# Allegro board BRD_05101_01_rev_b01_aa.brd (continued)
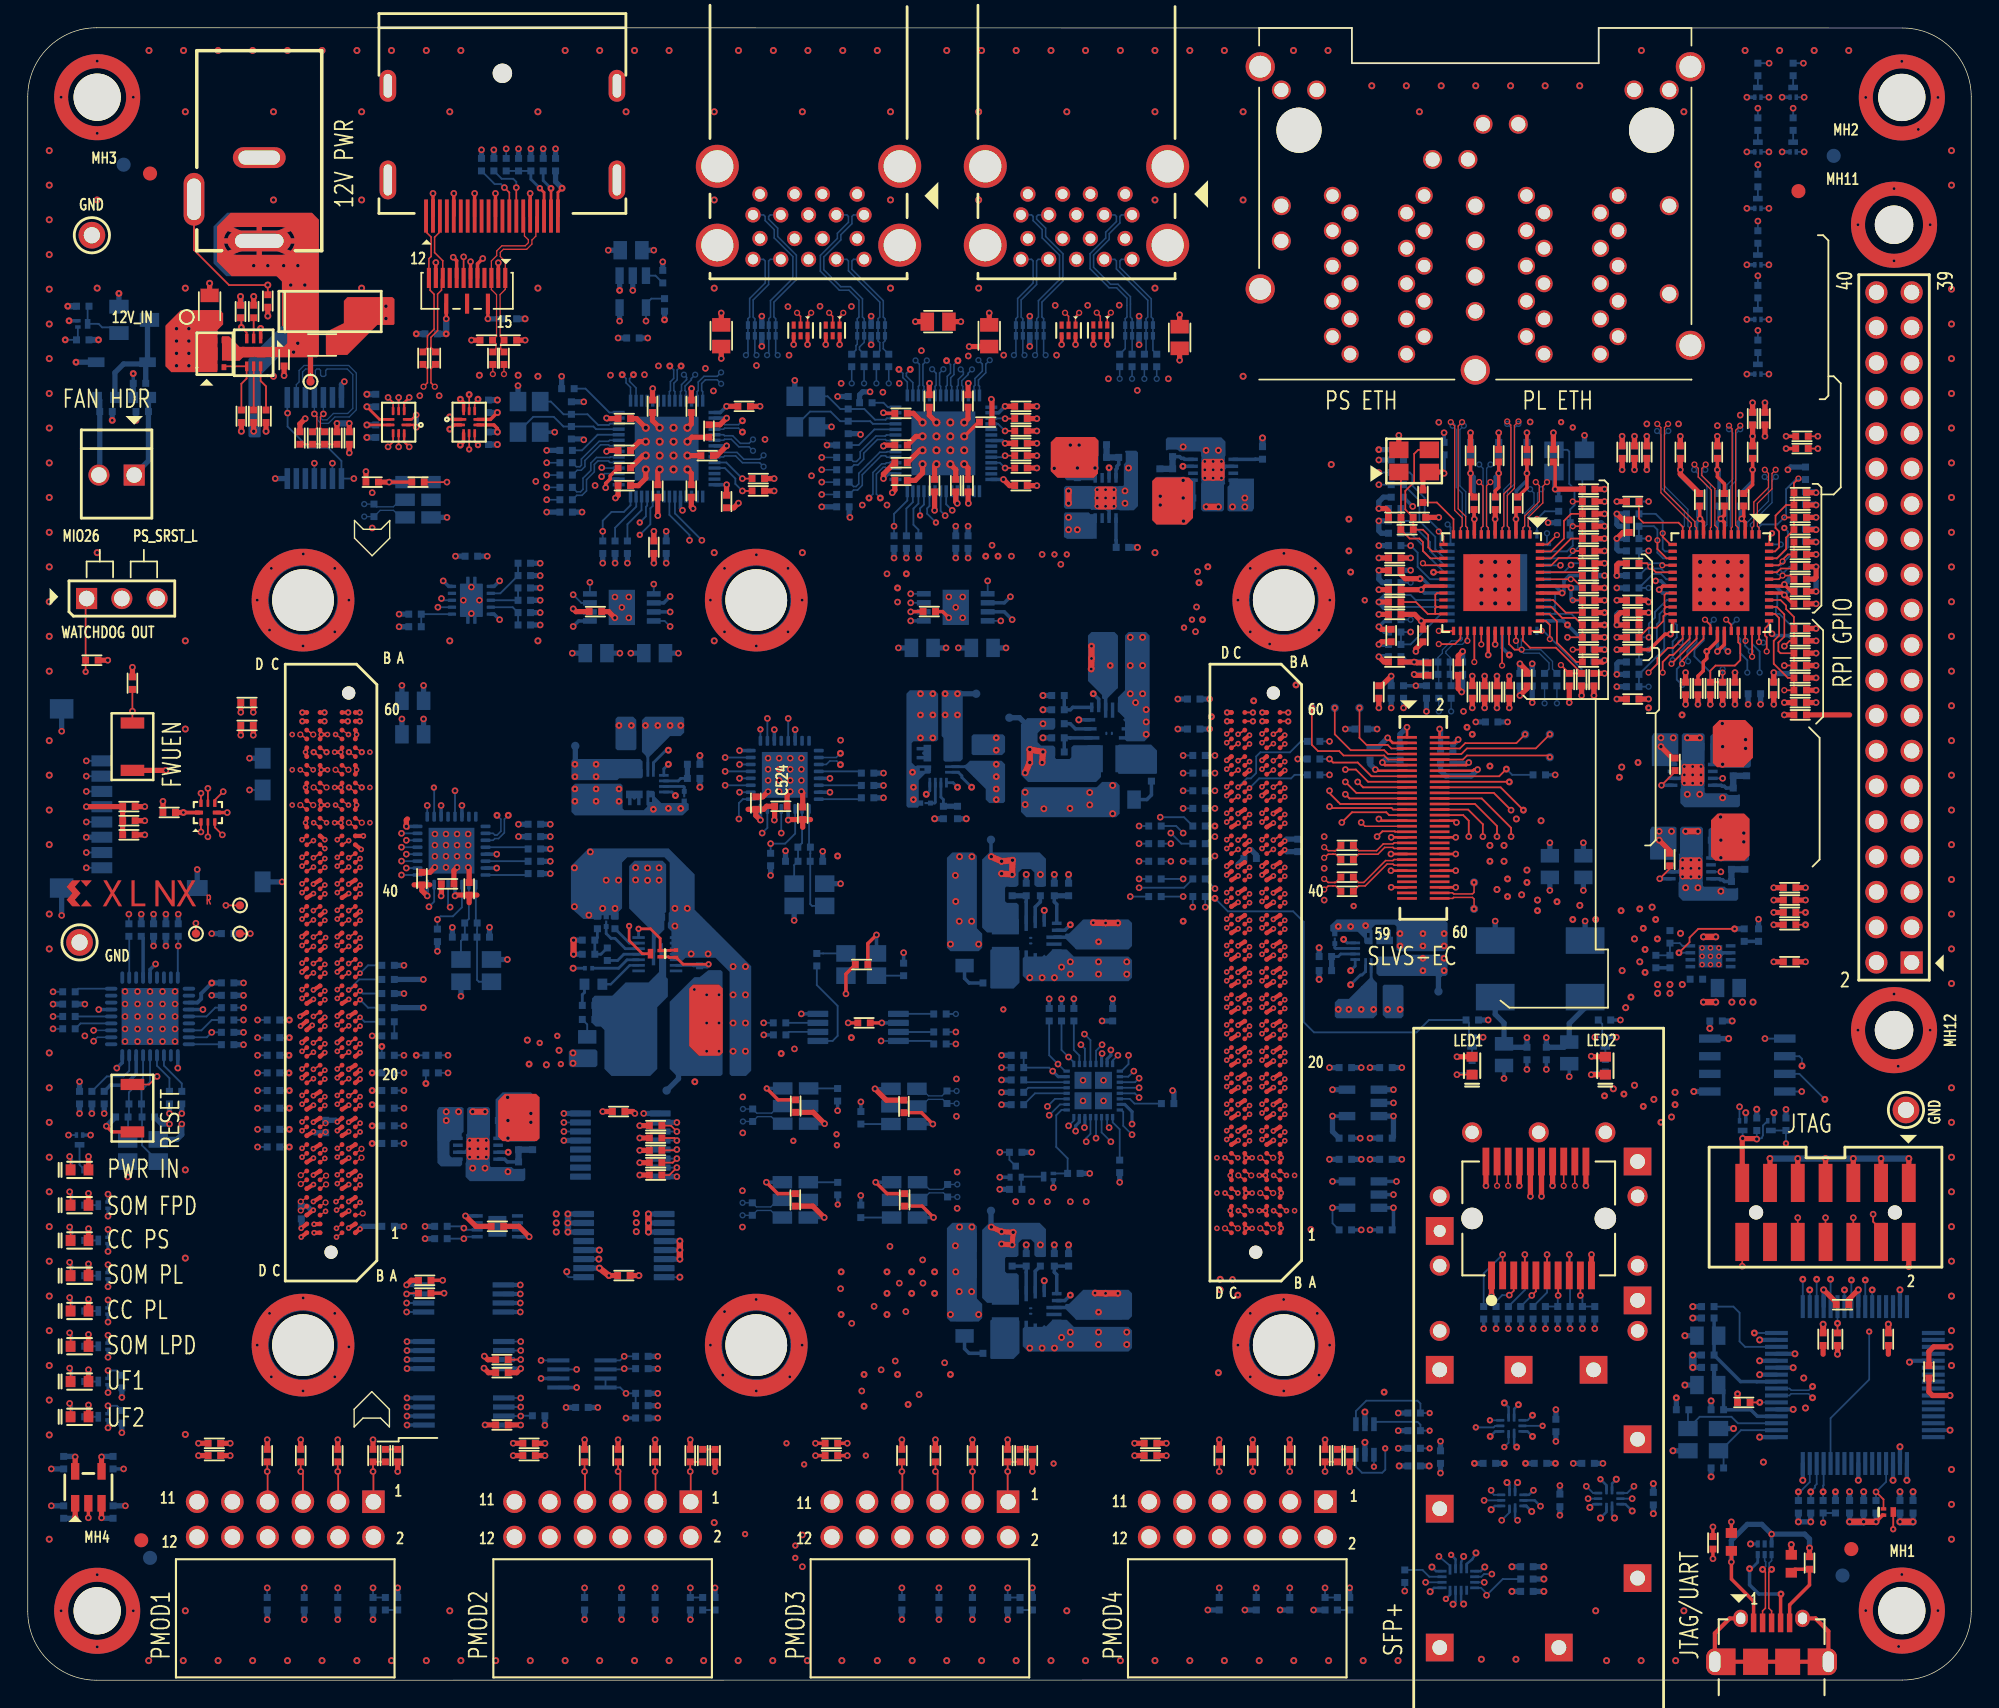
[diagram p0: board, top side]
## Placement (name value [footprint] x y rotation side) (continued)
TP21  -  [TP_PAD]  69.39 33.8 0 bottom
TP23  -  [TP_PAD]  122.98 61.9 180 bottom
TP24  -  [TP_PAD]  69.39 60.52 0 bottom
TP37  -  [TP_PAD]  15.29 53.77 270 top
TP38  -  [TP_PAD]  15.29 55.8 0 top
TP39  -  [TP_PAD]  12.11 53.77 0 top
TP40  -  [TP_PAD]  123.11 68.63 180 bottom
TP41  -  [TP_PAD]  95.93 70.02 180 bottom
TP42  -  [TP_PAD]  107.87 68.12 180 bottom
TP43  -  [TP_PAD]  94.15 70.02 180 bottom
TP44  -  [TP_PAD]  109.65 68.12 180 bottom
TP45  -  [TP_PAD]  92.5 70.02 180 bottom
TP46  -  [TP_PAD]  109.65 66.47 180 bottom
TP47  -  [TP_PAD]  104.19 57.45 180 bottom
TP48  -  [TP_PAD]  104.19 55.55 180 bottom
U1  MPM3840GQV-Z  [PQFN20_MPS_MPM3840GQV]  77.9 67.61 180 bottom
U2  MPM3840GQV-Z  [PQFN20_MPS_MPM3840GQV]  71.67 26.59 90 bottom
U3  MPM3810AGQB-Z  [QFN12_MPM3805A]  44.37 64.56 90 bottom
U4  MPM3810AGQB-Z  [QFN12_MPM3805A]  97.07 52.5 270 bottom
U5  MPM3810AGQB-Z  [QFN12_MPM3805A]  65.58 66.09 0 bottom
U6  MP8772  [QFN40P300X300X100-16_MP8772]  45.35 52.28 0 bottom
U7  MP8904  [QFN_MP8904DD_8]  32.43 38.27 180 bottom
U8  MP8904  [QFN_MP8904DD_8]  119.81 58.47 180 bottom
U9  MP8904  [QFN_MP8904DD_8]  119.93 65.2 180 bottom
U10  MP8904  [QFN_MP8904DD_8]  77.64 85.14 270 bottom
U11  MP8904  [QFN_MP8904DD_8]  121.22 52.13 0 bottom
U12  MP8904  [QFN_MP8904DD_8]  85.39 87.17 0 bottom
U13  TPS3430WDRCR  [VSON-CLIP11_3X3MM]  31.96 77.77 180 bottom
U14  INA260  [TSSOP065P620X120_16]  42.94 31.3 180 bottom
U15  M24C64-DRDW8  [TSSOP8_65P440X300MM]  31.42 23.41 0 bottom
U16  PCA9306DCTR  [DCT_R_PDSO_G8]  39.92 22.06 90 bottom
U18  TCA9546A  [SOP65P640X120-16]  42.69 38.54 180 bottom
U19  SLG7XL45106  [STQFN04P400X400X60_32_270]  76.75 42.46 180 bottom
U22  SN74AVC4T245  [QFN_RSV_16]  103.06 7.25 270 bottom
U23  NC7WZ07  [SC70_6]  96.33 17.34 270 bottom
U24  FT4232HL_LQFP64  [LQFP_64]  131.62 21.26 0 bottom
U25  SN74AVC2T245  [QFN40P140X180X55-10]  106.94 12.95 90 bottom
U26  93LC56B  [SOIC8P127W390]  123.87 44.3 180 bottom
U28  SN74AVC2T245  [QFN40P140X180X55-10]  31.8 90.6 0 top
U29  FIN1019  [TSSOP_14]  20.65 89.45 90 bottom
U30  SN74AVC2T245  [QFN40P140X180X55-10]  26.72 90.6 180 top
U33  STMPS2151STR  [SOT95P280X145_5]  43.58 100 0 bottom
U36  DP83867CSRGZ  [VQFN05P700X700X100_48_408EP]  105.46 79.04 270 top
U37  USB3320  [QFN05P500X500X100_32P_330EP]  30.53 59.74 0 bottom
U38  USB2244-AEZG-06  [QFN05P600X600X85-36_410]  8.81 47.8 0 bottom
U41  MP5016HGQH-Z  [PQFN10_MP5016HGQH]  16.28 95.65 180 top
U42  STMPS2161STR  [SOT95P280X145_5]  4.36 13.89 0 top
U43  USB5744  [VQFN40P700X700X100-56_460EP]  46.02 88.69 270 bottom
U44  GSB311231HR  [CONN_USB_DUAL_GSB311231HR]  56.24 105.52 270 top
U45  MP62341DH-LF-Z  [MSOP8E65P490X110]  42.8 77.26 0 bottom
U46  GSB311231HR  [CONN_USB_DUAL_GSB311231HR]  75.55 105.52 270 top
U47  MP62341DH-LF-Z  [MSOP8E65P490X110]  66.85 77.26 0 bottom
U61  TPD8S009DSMR  [SON_15P]  31.65 100.06 180 top
U64  SN74AVC2T245  [QFN40P140X180X55-10]  113.93 13.08 90 bottom
U66  TPD4E05U06DQAR  [DQA_R_PSON_N10]  52.88 97.2 0 bottom
U67  TPD4E05U06DQAR  [DQA_R_PSON_N10]  60.75 97.2 0 bottom
U68  TPD4E05U06DQAR  [DQA_R_PSON_N10]  80.06 97.2 0 bottom
U69  TPD4E05U06DQAR  [DQA_R_PSON_N10]  72.18 97.2 0 bottom
U71  SN74AVC2T245  [QFN40P140X180X55-10]  106.87 18.32 90 bottom
U72  MPM3840GQV-Z  [PQFN20_MPS_MPM3840GQV]  71.67 53.26 90 bottom
U73  STMPS2161STR  [SOT95P280X145_5]  96.19 34.97 270 bottom
U74  STMPS2161STR  [SOT95P280X145_5]  96.19 41.58 270 bottom
U75  ATSHA204A  [UDFN05P200X300X55-8_150X130]  33.83 32.69 270 bottom
U76  M24C64-DRDW8  [TSSOP8_65P440X300MM]  31.39 27.49 180 bottom
U79  DP83867CSRGZ  [VQFN05P700X700X100_48_408EP]  121.97 79.04 270 bottom
U80  DP83867CSRGZ  [VQFN05P700X700X100_48_408EP]  121.97 79.04 270 top
U81  DP83867CSRGZ  [VQFN05P700X700X100_48_408EP]  105.96 79.04 270 bottom
U82  TPD6E004RSER  [UQFN_8]  12.98 62.48 90 top
U83  USB3320  [QFN05P500X500X100_32P_330EP]  54.53 65.2 0 bottom
U84  USB5744  [VQFN40P700X700X100-56_460EP]  65.96 89.07 270 bottom
U85  M24C64-DRDW8  [TSSOP8_65P440X300MM]  31.42 19.35 0 bottom
U86  27MHZ  [OSC_RAL_500X320X154]  28.11 85.01 270 bottom
U87  125MHZ  [OSC_RAL_500X320X154]  55.29 34.59 270 bottom
U88  74.25MHZ  [OSC_RAL_500X320X154]  63.12 41.32 90 bottom
U89  26MHZ  [OSC_RAL_500X320X154]  55.32 41.35 270 bottom
U90  156.25MHZ  [OSC_RAL_500X320X154]  63.17 34.59 90 bottom
U91  NB3V1104CDTR2G  [TSSOP8_65P450X310X120]  59.82 47.01 0 bottom
U92  25.000MHz  [OSC_330X260X120_4_RAL]  60.04 51.54 180 bottom
X1  TPD4S012  [DRY_6_SON]  125.12 9.43 180 bottom
X2  12.00MHZ  [XTAL_320X250X71]  120.7 17.32 180 bottom
X5  TPD4S012  [DRY_6_SON]  57.98 97.2 180 top
X6  TPD4S012  [DRY_6_SON]  55.67 97.2 180 top
X7  TPD4S012  [DRY_6_SON]  77.26 97.21 180 top
X8  TPD4S012  [DRY_6_SON]  74.98 97.2 180 top
X9  25MHZ  [XTAL_EPSON_FA238]  111.04 87.8 180 bottom
X10  25MHZ  [XTAL_EPSON_FA238]  99.87 87.8 0 top
X11  24.00MHZ  [XTAL_EPSON_FA238]  8.3 38.15 180 bottom
X12  24.00MHZ  [XTAL_EPSON_FA238]  32.3 51.1 180 bottom
X13  25MHZ  [XTAL_EPSON_FA238]  36.11 90.98 270 bottom
X14  24.00MHZ  [XTAL_EPSON_FA238]  56.31 56.56 180 bottom
X15  25MHZ  [XTAL_EPSON_FA238]  56.05 91.36 270 bottom
Z1  -  [0201_SHORT]  41.67 54.69 270 bottom
Z2  -  [0201_SHORT]  94.15 53.47 270 bottom
Z4  -  [0201_SHORT]  47.29 63.59 90 bottom
Z5  -  [0201_SHORT]  64.61 63.17 0 bottom

## Library data of the parts
C1-C3 C6 C11 C20 C26 C30-C35 C45 C48 C311-C314 = CAP_NP: signal model: DEFAULT_CAPACITOR_2.2e+07pF_2_1
C4 C266 C353 C354 = CAP_NP: alternate symbols: (CAPC200X125X125RND); signal model: DEFAULT_CAPACITOR_4.7e+07pF_2_1
C5 C9 C103 C104 = CAP_NP: alternate symbols: (CAPC100X50X55RND); signal model: DEFAULT_CAPACITOR_27.000000pF_2_1
C7 C8 C18 C19 C24 C25 = CAP_NP: alternate symbols: (0603); signal model: DEFAULT_CAPACITOR_2.2e+07pF_2_1
C10 = CAP_NP: alternate symbols: (CAPC200X125X125RND); signal model: DEFAULT_CAPACITOR_2.2e+07pF_2_1
C12 C15-C17 C22 C23 C28 C29 C42 C43 C78 C79 C203 C204 C272 C274 C293 C294 = CAP_NP: signal model: DEFAULT_CAPACITOR_1e+07pF_2_1
C13 C14 C21 C27 C41 C44 C295-C298 = CAP_NP: alternate symbols: (CAPC100X50X55RND); signal model: DEFAULT_CAPACITOR_1000pF_2_1
C36 C37 C49 C50 C53 C64 C74 C75 C80 C81 C83 C84 C86-C88 C90-C94 C96-C102 C105 C108-C112 C114 C115 C117 C118 C144-C146 C148 C152 C153 C155 C175 C176 C207 C209 C210 C234 C236 C237 C265 C269 C270 C273 C275-C277 C279-C286 C289-C292 C299-C306 C309 C310 C315-C318 C324 C329 C534-C537 C544-C547 C551 C552 = CAP_NP: alternate symbols: (CAPC100X50X55RND); signal model: DEFAULT_CAPACITOR_100000pF_2_1
C38 C51 C89 C150 C151 C156-C158 C162-C165 C205 C208 C238 C323 = CAP_NP: alternate symbols: (CAPC100X50X55RND); signal model: DEFAULT_CAPACITOR_1e+06pF_2_1
C39 = CAP_NP: alternate symbols: (CAPC100X50X55RND); signal model: DEFAULT_CAPACITOR_56.000000pF_2_1
C40 = CAP_NP: signal model: DEFAULT_CAPACITOR_22000pF_2_1
C52 = CAP_NP: alternate symbols: (CAPC100X50X55RND); signal model: DEFAULT_CAPACITOR_220000pF_2_1
C73 = CAP_NP: alternate symbols: (CAPC100X50X55RND); signal model: DEFAULT_CAPACITOR_100.000000pF_2_1
C82 C85 C95 = CAP_NP: alternate symbols: (CAPC100X50X60RND); signal model: DEFAULT_CAPACITOR_4.7e+06pF_2_1
C147 = CAP_NP: signal model: DEFAULT_CAPACITOR_10000pF_2_1
C149 C154 = CAP_NP: signal model: DEFAULT_CAPACITOR_100000pF_2_1
C159 C160 C167 = CAP_NP: alternate symbols: (CAPC100X50X55RND); signal model: DEFAULT_CAPACITOR_1e+07pF_2_1
C161 C166 = CAP_NP: alternate symbols: (CAPC100X50X55RND); signal model: DEFAULT_CAPACITOR_10000pF_2_1
C206 = CAP_NP: signal model: DEFAULT_CAPACITOR_47000pF_2_1
C235 = CAP_NP: alternate symbols: (CAPC100X50X55RND); signal model: DEFAULT_CAPACITOR_39.000000pF_2_1
C278 = CAP_NP: alternate symbols: (CAPC100X50X55RND); signal model: DEFAULT_CAPACITOR_2.2e+06pF_2_1
C319-C321 = CAP_NP: alternate symbols: ((0402,C402-25,CAPC100X50X55L25NRND,CAPC100X50X55L30NRND,CAPC100X50X55L30N)); signal model: DEFAULT_CAPACITOR_6800pF_2_1
C344 = CAP_NP: alternate symbols: (CAPC100X50X56RND); signal model: DEFAULT_CAPACITOR_33.000000pF_2_1
C355 C356 C369 C383 C396 C404 C416 C424 C426 C428 C430 C433 C435-C437 C439-C453 C456-C461 C463 C464 C466-C478 C480-C484 C486-C501 C503-C506 C508 C510 C513-C533 C539 C541 C548-C550 C558-C565 C568 C569 C572 C573 C577 C578 C581-C592 = CAP_NP: alternate symbols: (CAPC100X50X55RND)
C365 C366 C372-C380 C386 C390-C395 C397-C399 C402 C403 C405-C411 C414 C415 C417-C423 C425 C427 C542 C543 = CAP_NP: alternate symbols: ((0402,C402-25,CAPC100X50X55L25NRND,CAPC100X50X55L30NRND,CAPC100X50X55L30N))
C370 C371 C388 C389 C400 C401 C412 C413 = CAP_NP: alternate symbols: (CAPC100X50X56RND)
C381 = CAP_NP: alternate symbols: (CAPC200X125X125RND)
C382 C387 C429 C431 C432 C434 C454 C455 C462 C465 C479 C485 C502 C507 C509 C538 C540 C575 C576 = CAP_NP
C384 C385 = CAP_NP: alternate symbols: (0603)
C553-C556 C566 C567 C570 C571 = CAP_NP: alternate symbols: (CAPC100X50X50RND)
C557 C574 = CAP_NP: alternate symbols: (CAPC100X50X60RND)
D1 = DIODE_ZENER
D2 = BAT54T1G
DS1-DS10 = LED
J1 = HDR_1X3
J2 J18-J20 = HDR_2X6
J3 = HDR_2X7
J4 = CONN_USB_MICRO_B_TH
J6 = 0472720001
J10 = RJ45_0879-2C2R-V4
J11 = 5025700893
J12 = PJ-202AH
J13 = HDR_REMOTE_SENSE_A: signal model: DEFAULT_RESISTOR_22.000000OHM_2_1
J15-J17 = TP-HOOK: alternate symbols: (TP_KEY_MINI_DNP)
J21 = HDR_2X20
J22 = DF40HC_4.0_-60DS-0.4V
J23 = ZSFP_PLUS_CONNECTOR_NO_CAGE
J24 = 747540101
JA1 JA2 = SAMTEC-ADx6-60X4
L1 = IND: signal model: DEFAULT_INDUCTOR_1200nH_2_1
L2-L5 L8-L11 = IND
MH1-MH4 MH11 MH12 = HOLE
MH5-MH10 = MECH_SPACER
Q3 Q4 Q6-Q10 Q12 Q13 Q17 Q19-Q23 Q25-Q32 Q34 = DMN26D0UFB4
Q5 = IRFHS8342
Q18 = FET-3PIN
Q33 = RZM001P02T2L
R1 R13 R54 R219 R220 = RES: signal model: DEFAULT_RESISTOR_200000OHM_2_1
R2 = RES: alternate symbols: (0402); signal model: DEFAULT_RESISTOR_44200OHM_2_1
R4 R5 R7 R12 R28 R42 = RES: signal model: DEFAULT_RESISTOR_100000OHM_2_1
R6 R15 R17 R23 R29 R38 R40 R41 R45-R51 R61 R74 R76 R77 R104-R108 R116-R120 R125 R195 R196 R209 R210 R218 R233-R235 R241 R260-R263 = RES: alternate symbols: (RESC100X50X40RND); signal model: DEFAULT_RESISTOR_10000OHM_2_1
R10 R21 R26 = RES: alternate symbols: (RESC100X50X40RND); signal model: DEFAULT_RESISTOR_40200OHM_2_1
R14 R18 = RES: signal model: DEFAULT_RESISTOR_68000OHM_2_1
R16 = RES: alternate symbols: ((0402,C402-25,RESC100X50X40L25NRND)); signal model: DEFAULT_RESISTOR_34000OHM_2_1
R20 = RES: signal model: DEFAULT_RESISTOR_15000OHM_2_1
R24 = RES: alternate symbols: (RESC100X50X40RND); signal model: DEFAULT_RESISTOR_26100OHM_2_1
R27 = RES: alternate symbols: (RESC100X50X40RND); signal model: DEFAULT_RESISTOR_45300OHM_2_1
R30 = RES: alternate symbols: (RESC100X50X40RND); signal model: DEFAULT_RESISTOR_20000OHM_2_1
R31 = RES: alternate symbols: ((0402,C402-25,RESC100X50X40L25NRND)); signal model: DEFAULT_RESISTOR_2700OHM_2_1
R32 R75 R256 = RES: alternate symbols: (RESC100X50X40RND); signal model: DEFAULT_RESISTOR_1000.000000OHM_2_1
R33 = RES: signal model: DEFAULT_RESISTOR_0.001OHM_2_1
R34 = RES: alternate symbols: (RESC60X30X26RND); signal model: DEFAULT_RESISTOR_100000OHM_2_1
R36 R39 = RES: signal model: DEFAULT_RESISTOR_56200OHM_2_1
R43 = RES: alternate symbols: (0402); signal model: DEFAULT_RESISTOR_200000OHM_2_1
R44 R66 R200 R202 R203 R222 = RES: alternate symbols: (RESC100X50X40RND); signal model: DEFAULT_RESISTOR_0.001OHM_2_1
R55 R56 R102 = RES: alternate symbols: ((0402,C402-25,RESC100X50X40L25NRND)); signal model: DEFAULT_RESISTOR_2210OHM_2_1
R57 R62 = RES: alternate symbols: (RESC100X50X40RND); signal model: DEFAULT_RESISTOR_1500OHM_2_1
R58 R63 = RES: alternate symbols: (RESC100X50X40RND); signal model: DEFAULT_RESISTOR_2210OHM_2_1
R78 = RES: alternate symbols: (RESC100X50X40RND); signal model: DEFAULT_RESISTOR_2000OHM_2_1
R79 R221 = RES: alternate symbols: (RESC100X50X40RND); signal model: DEFAULT_RESISTOR_12000OHM_2_1
R109 = RES: alternate symbols: ((0402,C402-25,RESC100X50X40L25NRND)); signal model: DEFAULT_RESISTOR_5760OHM_2_1
R110 = RES: alternate symbols: ((0402,C402-25,RESC100X50X40L25NRND)); signal model: DEFAULT_RESISTOR_10000OHM_2_1
R113 R130 = RES: alternate symbols: (RESC100X50X40RND); signal model: DEFAULT_RESISTOR_4700OHM_2_1
R121 R170 = RES: signal model: DEFAULT_RESISTOR_2490OHM_2_1
R122 = RES: signal model: DEFAULT_RESISTOR_10000OHM_2_1
R124 R127 R157-R161 R254 = RES: alternate symbols: (RESC100X50X40RND); signal model: DEFAULT_RESISTOR_261.000000OHM_2_1
R126 = RES: alternate symbols: (RESC100X50X40RND); signal model: DEFAULT_RESISTOR_11000OHM_2_1
R133 = RES: alternate symbols: ((0402,C402-25,RESC100X50X40L25NRND)); signal model: DEFAULT_RESISTOR_300000OHM_2_1
R134 = RES: signal model: DEFAULT_RESISTOR_274000OHM_2_1
R135 = RES: signal model: DEFAULT_RESISTOR_422.000000OHM_2_1
R162-R165 = RES: alternate symbols: (RESC100X50X40RND); signal model: DEFAULT_RESISTOR_499.000000OHM_2_1
R166 R167 R174 R205 R206 R243 R244 = RES: alternate symbols: (RESC100X50X40RND); signal model: DEFAULT_RESISTOR_100000OHM_2_1
R171 = RES: signal model: DEFAULT_RESISTOR_1500OHM_2_1
R172 R173 = RES: alternate symbols: (RESC100X50X40RND); signal model: DEFAULT_RESISTOR_49.900000OHM_2_1
R213 = RES: alternate symbols: (RESC100X50X40RND); signal model: DEFAULT_RESISTOR_8060OHM_2_1
R223-R225 = RES: signal model: DEFAULT_RESISTOR_1.000000OHM_2_1
R248-R253 = RES: signal model: DEFAULT_CAPACITOR_100000pF_2_1
R264 = RES: alternate symbols: (RESC100X50X40RND); signal model: DEFAULT_RESISTOR_20.000000OHM_2_1
R265 = RES: alternate symbols: (RESC60X30X26RND)
R266-R268 R274 R275 R294-R297 R306 R307 R316 R317 R326-R329 R332-R339 R341-R346 R349 R352 R355-R359 R363-R368 R371 R373 R376 R377 R380-R384 R388-R393 R396 R397 R400-R402 R405-R409 R411-R414 R417-R420 R425-R432 R435 R440-R443 R446-R451 R458 R463-R465 R468 R469 R471 R472 R477-R484 R486-R501 R507 = RES: alternate symbols: (RESC100X50X40RND)
R276-R283 R298-R305 R308-R315 R318-R325 = RES: alternate symbols: (RESC100X50X40RND); signal model: DEFAULT_CAPACITOR_100000pF_2_1
R289-R293 R369 R372 R387 R394 R421-R424 R438 R439 R452 R460 R461 R466 R467 R470 R473-R476 = RES
R330 R331 R347 R348 R353 R354 R360 R362 R378 R379 R385 R403 R404 R410 R462 = RES: alternate symbols: ((0402,C402-25,RESC100X50X40L25NRND))
SW1 SW2 = BTN_MOMENT
TP1 TP3 TP5 TP7 TP9 TP11 TP13 TP15 TP17 TP19 TP21 TP23 TP24 TP37-TP48 = TP
U1 U2 U72 = MPM3840
U3-U5 = MPM3810A
U6 = MP8771: alternate symbols: (QFN40P300X300X100-16)
U7-U12 = MP8904
U13 = TPS3430
U14 = INA260AIPW
U15 U76 U85 = M24C64
U16 = PCA9306DCTR
U18 = TCA9546A
U19 = SLG7XL45106
U22 = SN74AVC4T245
U23 = NC7WZ07
U24 = FT4232HL
U25 U28 U30 U64 U71 = SN74AVC2T245
U26 = 93LC56B
U29 = FIN1019
U33 = STMPS2151
U36 U79-U81 = DP83867ISRGZ
U37 U83 = USB3320_QFN32
U38 = USB2244
U41 = MP5016H
U42 U73 U74 = TPS2065CDBVT
U43 U84 = USB5744
U44 U46 = GSB311231HR
U45 U47 = MP62341DH
U61 = TPD8S009DSMR
U66-U69 = TPD4E05U06DQAR
U75 = ATSHA204A_MAHDA
U82 = TPD6E004RSER
U86-U90 = XCO583IV11-27.000
U91 = NB3V1104CDTR2G
U92 = SIT_4PIN
X1 X5-X8 = TPD4S012
X2 = ABM8_XTAL
X9 X10 X13 X15 = FA238
X11 X12 X14 = FA-238A_XTAL
Z1 Z2 Z4 Z5 = 0201_SHORT

## Footprints (pads in the part's own frame, mm; a bottom-side part is the same pattern mirrored in y, then rotated)
0201_SHORT
  rect 0.381x0.381 smd: 1(-0.292,0)
  custom 0.61x0.356 smd: 2(0.292,0)
87832_1420
  round 1.016 hole 1.016 unplated: (-5,0) (5,0)
  rect 1x2.75 smd: 1(-6,-2.125) 2(-6,2.125) 3(-4,-2.125) 4(-4,2.125) 5(-2,-2.125) 6(-2,2.125) 7(0,-2.125) 8(0,2.125) 9(2,-2.125) 10(2,2.125) 11(4,-2.125) 12(4,2.125) 13(6,-2.125) 14(6,2.125)
CAGE_MOLEX_0747540101_L_PIPE
  rect 2x2 hole 1.067: 1(-9.58,-4.5) 2(-1,-4.5) 3(-1,-14.5) 4(-6.68,-24.5) 5(-1,-24.5) 13(-15.25,-39.5) 16(-15.25,-29.5) 18(-12.08,-24.5) 19(-15.25,-19.5) 20(-15.25,-9.5)
  round 1.45 hole 0.965: 6(-1,-27.3) 7(-1,-32) 9(-1,-37) 10(-3.33,-41.6) 11(-8.13,-41.6) 12(-12.93,-41.6) 14(-15.25,-37) 15(-15.25,-32) 17(-15.25,-27.3)
  rect 2x2 hole 0.864: 8(-1,-34.5)
CAPC100X50X50
  rect 0.5x0.51 smd: 1(-0.45,0) 2(0.45,0)
CAPC100X50X55
  rect 0.5x0.51 smd: 1(-0.45,0) 2(0.45,0)
CAPC100X50X56
  rect 0.5x0.51 smd: 1(-0.45,0) 2(0.45,0)
CAPC100X50X60
  rect 0.5x0.51 smd: 1(-0.45,0) 2(0.45,0)
CAPC100X50X70
  rect 0.5x0.51 smd: 1(-0.45,0) 2(0.45,0)
CAPC160X80X100
  rect 0.71x0.81 smd: 1(-0.645,0) 2(0.645,0)
CAPC200X125X125
  rect 0.98x1.32 smd: 1(-0.78,0) 2(0.78,0)
CAPC200X125X145
  rect 0.98x1.32 smd: 1(-0.78,0) 2(0.78,0)
CON_BEL_0879_2C2R_V4
  round 3.25 hole 3.251 unplated: (-2.413,-4.699) (22.987,-4.699)
  round 1.245 hole 0.889: A1(0,0) A2(1.27,1.27) A3(0,2.54) A4(1.27,3.81) A5(0,5.08) A6(1.27,6.35) A7(0,7.62) A8(1.27,8.89) A9(0,10.16) A10(1.27,11.43) B1(6.604,0) B2(5.334,1.27) B3(6.604,2.54) B4(5.334,3.81) B5(6.604,5.08) B6(5.334,6.35) B7(6.604,7.62) B8(5.334,8.89) B9(6.604,10.16) B10(5.334,11.43) C1(13.97,0) C2(15.24,1.27) C3(13.97,2.54) C4(15.24,3.81) C5(13.97,5.08) C6(15.24,6.35) C7(13.97,7.62) C8(15.24,8.89) C9(13.97,10.16) C10(15.24,11.43) D1(20.574,0) D2(19.304,1.27) D3(20.574,2.54) D4(19.304,3.81) D5(20.574,5.08) D6(19.304,6.35) D7(20.574,7.62) D8(19.304,8.89) D9(20.574,10.16) D10(19.304,11.43)
  round 1.372 hole 1.016: A11(-3.683,-7.595) A12(-1.143,-7.595) A13(7.188,-5.131) A14(9.728,-5.131) B11(-3.683,7.087) B12(-3.683,0.737) B13(10.287,5.817) B14(10.287,0.737) C11(10.82,-2.591) C12(13.36,-2.591) C13(21.717,-7.595) C14(24.257,-7.595) D11(10.287,8.357) D12(10.287,3.277) D13(24.257,3.277) D14(24.257,0.737)
  round 2.108 hole 1.575: SH1(-5.207,-9.271) SH2(-5.207,10.795) SH3(10.287,12.573) SH4(25.781,-9.271) SH5(25.781,6.731)
CON_CUI_PJ202AH
  oval 1.5x4.6 hole 1.016x3.505: 1(0,0)
  oval 1.5x3.8 hole 1.016x2.997: 2(6,0)
  oval 3.8x1.5 hole 2.997x1.016: 3(3,4.7)
CON_HIROSE_DF40HC_4P0_60DS_04V
  rect 0.2x1.43 smd: 1(-5.8,-1.175) 2(-5.8,1.175) 3(-5.4,-1.175) 4(-5.4,1.175) 5(-5,-1.175) 6(-5,1.175) 7(-4.6,-1.175) 8(-4.6,1.175) 9(-4.2,-1.175) 10(-4.2,1.175) 11(-3.8,-1.175) 12(-3.8,1.175) 13(-3.4,-1.175) 14(-3.4,1.175) 15(-3,-1.175) 16(-3,1.175) 17(-2.6,-1.175) 18(-2.6,1.175) 19(-2.2,-1.175) 20(-2.2,1.175) 21(-1.8,-1.175) 22(-1.8,1.175) 23(-1.4,-1.175) 24(-1.4,1.175) 25(-1,-1.175) 26(-1,1.175) 27(-0.6,-1.175) 28(-0.6,1.175) 29(-0.2,-1.175) 30(-0.2,1.175) 31(0.2,-1.175) 32(0.2,1.175) 33(0.6,-1.175) 34(0.6,1.175) 35(1,-1.175) 36(1,1.175) 37(1.4,-1.175) 38(1.4,1.175) 39(1.8,-1.175) 40(1.8,1.175) 41(2.2,-1.175) 42(2.2,1.175) 43(2.6,-1.175) 44(2.6,1.175) 45(3,-1.175) 46(3,1.175) 47(3.4,-1.175) 48(3.4,1.175) 49(3.8,-1.175) 50(3.8,1.175) 51(4.2,-1.175) 52(4.2,1.175) 53(4.6,-1.175) 54(4.6,1.175) 55(5,-1.175) 56(5,1.175) 57(5.4,-1.175) 58(5.4,1.175) 59(5.8,-1.175) 60(5.8,1.175)
CON_HR_ZX62D_AB_5P8
  rect 0.4x1.35 smd: 1(-1.3,0) 2(-0.65,0) 3(0,0) 4(0.65,0) 5(1.3,0)
  oval 1.23x1.9 hole 0.813x1.499: 6(4.089,-2.802) 9(-4.089,-2.802)
  rect 1.8x1.9 smd: 7(1.156,-2.802) 8(-1.156,-2.802)
  oval 1.05x1.25 hole 0.66x0.838: 10(-2.226,0.323) 11(2.226,0.323)
CON_MOL_10P_5025700893
  rect 0.8x1.5 smd: 1(0,0) 2(1.1,0) 3(2.2,0) 4(3.3,0) 5(4.4,0) 6(5.5,0) 7(6.6,0) 8(7.7,0)
  rect 1.4x1.7 smd: 9(-3.747,2.896) 10(9.157,2.896)
  rect 1.15x1.5 smd: 11(9.157,-6.871)
  rect 1.5x1.15 smd: 12(8.712,-11.582) 13(2.095,-11.582) 14(-0.191,-11.582)
CON_MOLEX_47272
  round 1.4 hole 1.397 unplated: (0,0)
  rect 0.28x2.4 smd: 1(5.5,10.28) 2(5,10.28) 3(4.5,10.28) 4(4,10.28) 5(3.5,10.28) 6(3,10.28) 7(2.5,10.28) 8(2,10.28) 9(1.5,10.28) 10(1,10.28) 11(0.5,10.28) 12(0,10.28) 13(-0.5,10.28) 14(-1,10.28) 15(-1.5,10.28) 16(-2,10.28) 17(-2.5,10.28) 18(-3,10.28) 19(-3.5,10.28) 20(-4,10.28)
  oval 1.2x2.8 hole 0.61x2.235: 21(-8.25,7.68) 24(8.25,7.68)
  oval 1.2x2.3 hole 0.61x1.702: 22(-8.25,0.9) 23(8.25,0.9)
CON_MOLEX_744410001
  round 1.549 hole 1.549 unplated: (0,4.8) (0,-4.8)
  rect 2x0.5 smd: 1(-4.1,3.4) 2(-4.1,2.6) 3(-4.1,1.8) 4(-4.1,1) 5(-4.1,0.2) 6(-4.1,-0.6) 7(-4.1,-1.4) 8(-4.1,-2.2) 9(-4.1,-3) 10(-4.1,-3.8) 11(4.1,-3.4) 12(4.1,-2.6) 13(4.1,-1.8) 14(4.1,-1) 15(4.1,-0.2) 16(4.1,0.6) 17(4.1,1.4) 18(4.1,2.2) 19(4.1,3) 20(4.1,3.8)
CON_SAMTEC_ADM6_60_4
  round 0.95 hole 0.95 unplated: (-20.135,1.27) (20.135,0)
  round 0.356 smd: A1(18.733,1.75) A2(18.098,1.75) A3(17.462,1.75) A4(16.828,1.75) A5(16.192,1.75) A6(15.557,1.75) A7(14.922,1.75) A8(14.287,1.75) A9(13.652,1.75) A10(13.018,1.75) A11(12.383,1.75) A12(11.748,1.75) A13(11.113,1.75) A14(10.477,1.75) A15(9.842,1.75) A16(9.207,1.75) A17(8.572,1.75) A18(7.938,1.75) A19(7.303,1.75) A20(6.668,1.75) A21(6.032,1.75) A22(5.397,1.75) A23(4.763,1.75) A24(4.128,1.75) A25(3.493,1.75) A26(2.857,1.75) A27(2.223,1.75) A28(1.587,1.75) A29(0.953,1.75) A30(0.318,1.75) A31(-0.318,1.75) A32(-0.953,1.75) A33(-1.587,1.75) A34(-2.223,1.75) A35(-2.857,1.75) A36(-3.493,1.75) A37(-4.128,1.75) A38(-4.763,1.75) A39(-5.397,1.75) A40(-6.032,1.75) A41(-6.668,1.75) A42(-7.303,1.75) A43(-7.938,1.75) A44(-8.572,1.75) A45(-9.207,1.75) A46(-9.842,1.75) A47(-10.477,1.75) A48(-11.113,1.75) A49(-11.748,1.75) A50(-12.383,1.75) A51(-13.018,1.75) A52(-13.652,1.75) A53(-14.287,1.75) A54(-14.922,1.75) A55(-15.557,1.75) A56(-16.192,1.75) A57(-16.828,1.75) A58(-17.462,1.75) A59(-18.098,1.75) A60(-18.733,1.75) B1(18.733,0.79) B2(18.098,0.79) B3(17.462,0.79) B4(16.828,0.79) B5(16.192,0.79) B6(15.557,0.79) B7(14.922,0.79) B8(14.287,0.79) B9(13.652,0.79) B10(13.018,0.79) B11(12.383,0.79) B12(11.748,0.79) B13(11.113,0.79) B14(10.477,0.79) B15(9.842,0.79) B16(9.207,0.79) B17(8.572,0.79) B18(7.938,0.79) B19(7.303,0.79) B20(6.668,0.79) B21(6.032,0.79) B22(5.397,0.79) B23(4.763,0.79) B24(4.128,0.79) B25(3.493,0.79) B26(2.857,0.79) B27(2.223,0.79) B28(1.587,0.79) B29(0.953,0.79) B30(0.318,0.79) B31(-0.318,0.79) B32(-0.953,0.79) B33(-1.587,0.79) B34(-2.223,0.79) B35(-2.857,0.79) B36(-3.493,0.79) B37(-4.128,0.79) B38(-4.763,0.79) B39(-5.397,0.79) B40(-6.032,0.79) B41(-6.668,0.79) B42(-7.303,0.79) B43(-7.938,0.79) B44(-8.572,0.79) B45(-9.207,0.79) B46(-9.842,0.79) B47(-10.477,0.79) B48(-11.113,0.79) B49(-11.748,0.79) B50(-12.383,0.79) B51(-13.018,0.79) B52(-13.652,0.79) B53(-14.287,0.79) B54(-14.922,0.79) B55(-15.557,0.79) B56(-16.192,0.79) B57(-16.828,0.79) B58(-17.462,0.79) B59(-18.098,0.79) B60(-18.733,0.79) C1(18.733,-0.79) C2(18.098,-0.79) C3(17.462,-0.79) C4(16.828,-0.79) C5(16.192,-0.79) C6(15.557,-0.79) C7(14.922,-0.79) C8(14.287,-0.79) C9(13.652,-0.79) C10(13.018,-0.79) C11(12.383,-0.79) C12(11.748,-0.79) C13(11.113,-0.79) C14(10.477,-0.79) C15(9.842,-0.79) C16(9.207,-0.79) C17(8.572,-0.79) C18(7.938,-0.79) C19(7.303,-0.79) C20(6.668,-0.79) C21(6.032,-0.79) C22(5.397,-0.79) C23(4.763,-0.79) C24(4.128,-0.79) C25(3.493,-0.79) C26(2.857,-0.79) C27(2.223,-0.79) C28(1.587,-0.79) C29(0.953,-0.79) C30(0.318,-0.79) C31(-0.318,-0.79) C32(-0.953,-0.79) C33(-1.587,-0.79) C34(-2.223,-0.79) C35(-2.857,-0.79) C36(-3.493,-0.79) C37(-4.128,-0.79) C38(-4.763,-0.79) C39(-5.397,-0.79) C40(-6.032,-0.79) C41(-6.668,-0.79) C42(-7.303,-0.79) C43(-7.938,-0.79) C44(-8.572,-0.79) C45(-9.207,-0.79) C46(-9.842,-0.79) C47(-10.477,-0.79) C48(-11.113,-0.79) C49(-11.748,-0.79) C50(-12.383,-0.79) C51(-13.018,-0.79) C52(-13.652,-0.79) C53(-14.287,-0.79) C54(-14.922,-0.79) C55(-15.557,-0.79) C56(-16.192,-0.79) C57(-16.828,-0.79) C58(-17.462,-0.79) C59(-18.098,-0.79) C60(-18.733,-0.79) D1(18.733,-1.75) D2(18.098,-1.75) D3(17.462,-1.75) D4(16.828,-1.75) D5(16.192,-1.75) D6(15.557,-1.75) D7(14.922,-1.75) D8(14.287,-1.75) D9(13.652,-1.75) D10(13.018,-1.75) D11(12.383,-1.75) D12(11.748,-1.75) D13(11.113,-1.75) D14(10.477,-1.75) D15(9.842,-1.75) D16(9.207,-1.75) D17(8.572,-1.75) D18(7.938,-1.75) D19(7.303,-1.75) D20(6.668,-1.75) D21(6.032,-1.75) D22(5.397,-1.75) D23(4.763,-1.75) D24(4.128,-1.75) D25(3.493,-1.75) D26(2.857,-1.75) D27(2.223,-1.75) D28(1.587,-1.75) D29(0.953,-1.75) D30(0.318,-1.75) D31(-0.318,-1.75) D32(-0.953,-1.75) D33(-1.587,-1.75) D34(-2.223,-1.75) D35(-2.857,-1.75) D36(-3.493,-1.75) D37(-4.128,-1.75) D38(-4.763,-1.75) D39(-5.397,-1.75) D40(-6.032,-1.75) D41(-6.668,-1.75) D42(-7.303,-1.75) D43(-7.938,-1.75) D44(-8.572,-1.75) D45(-9.207,-1.75) D46(-9.842,-1.75) D47(-10.477,-1.75) D48(-11.113,-1.75) D49(-11.748,-1.75) D50(-12.383,-1.75) D51(-13.018,-1.75) D52(-13.652,-1.75) D53(-14.287,-1.75) D54(-14.922,-1.75) D55(-15.557,-1.75) D56(-16.192,-1.75) D57(-16.828,-1.75) D58(-17.462,-1.75) D59(-18.098,-1.75) D60(-18.733,-1.75)
CON_WE_WA-SMST_6MM
  round 4.445 hole 4.445 unplated: (0,0)
  round 0.32 smd: 1(0,3)
CONN_USB_DUAL_GSB311231HR
  round 1.1 hole 0.711: 1(-1.5,3.5) 2(-1.5,1) 3(-1.5,-1) 4(-1.5,-3.5) 5(0,-4) 6(0,-2) 7(0,0) 8(0,2) 9(0,4) 10(1.7,3.5) 11(1.7,1) 12(1.7,-1) 13(1.7,-3.5) 14(3.2,-4) 15(3.2,-2) 16(3.2,0) 17(3.2,2) 18(3.2,4)
  round 3.1 hole 2.311: 19(-3.5,-6.57) 20(2.18,-6.57) 21(2.18,6.57) 22(-3.5,6.57)
DCT_R_PDSO_G8
  rect 0.3x1.6 smd: 1(-0.975,-1.7) 2(-0.325,-1.7) 3(0.325,-1.7) 4(0.975,-1.7) 5(0.975,1.7) 6(0.325,1.7) 7(-0.325,1.7) 8(-0.975,1.7)
DFN_105X65X40_3
  rect 0.4x0.25 smd: 1(-0.35,0.225) 2(-0.35,-0.225)
  rect 0.4x0.7 smd: 3(0.35,0)
DO_214AC
  rect 2.1x1.8 smd: 1(-2.2,0) 2(2.2,0)
DQA_R_PSON_N10
  rect 0.3x0.55 smd: 1(-1,-0.385) 2(-0.5,-0.385) 4(0.5,-0.385) 5(1,-0.385) 6(1,0.385) 7(0.5,0.385) 9(-0.5,0.385) 10(-1,0.385)